# Altium PCB dcb_split_v2.PcbDoc (part 2 of 3)
Units mm, origin at the board's own origin, x right, y up, seen from the top; angles counter-clockwise.
Board outline 175 x 60 mm, 4 copper layers (Top Layer, Int1 (GND), Int2 (PWR), Bottom Layer), stack 1.369 mm thick; 175 components, 105 nets, 654 pads, 664 vias.
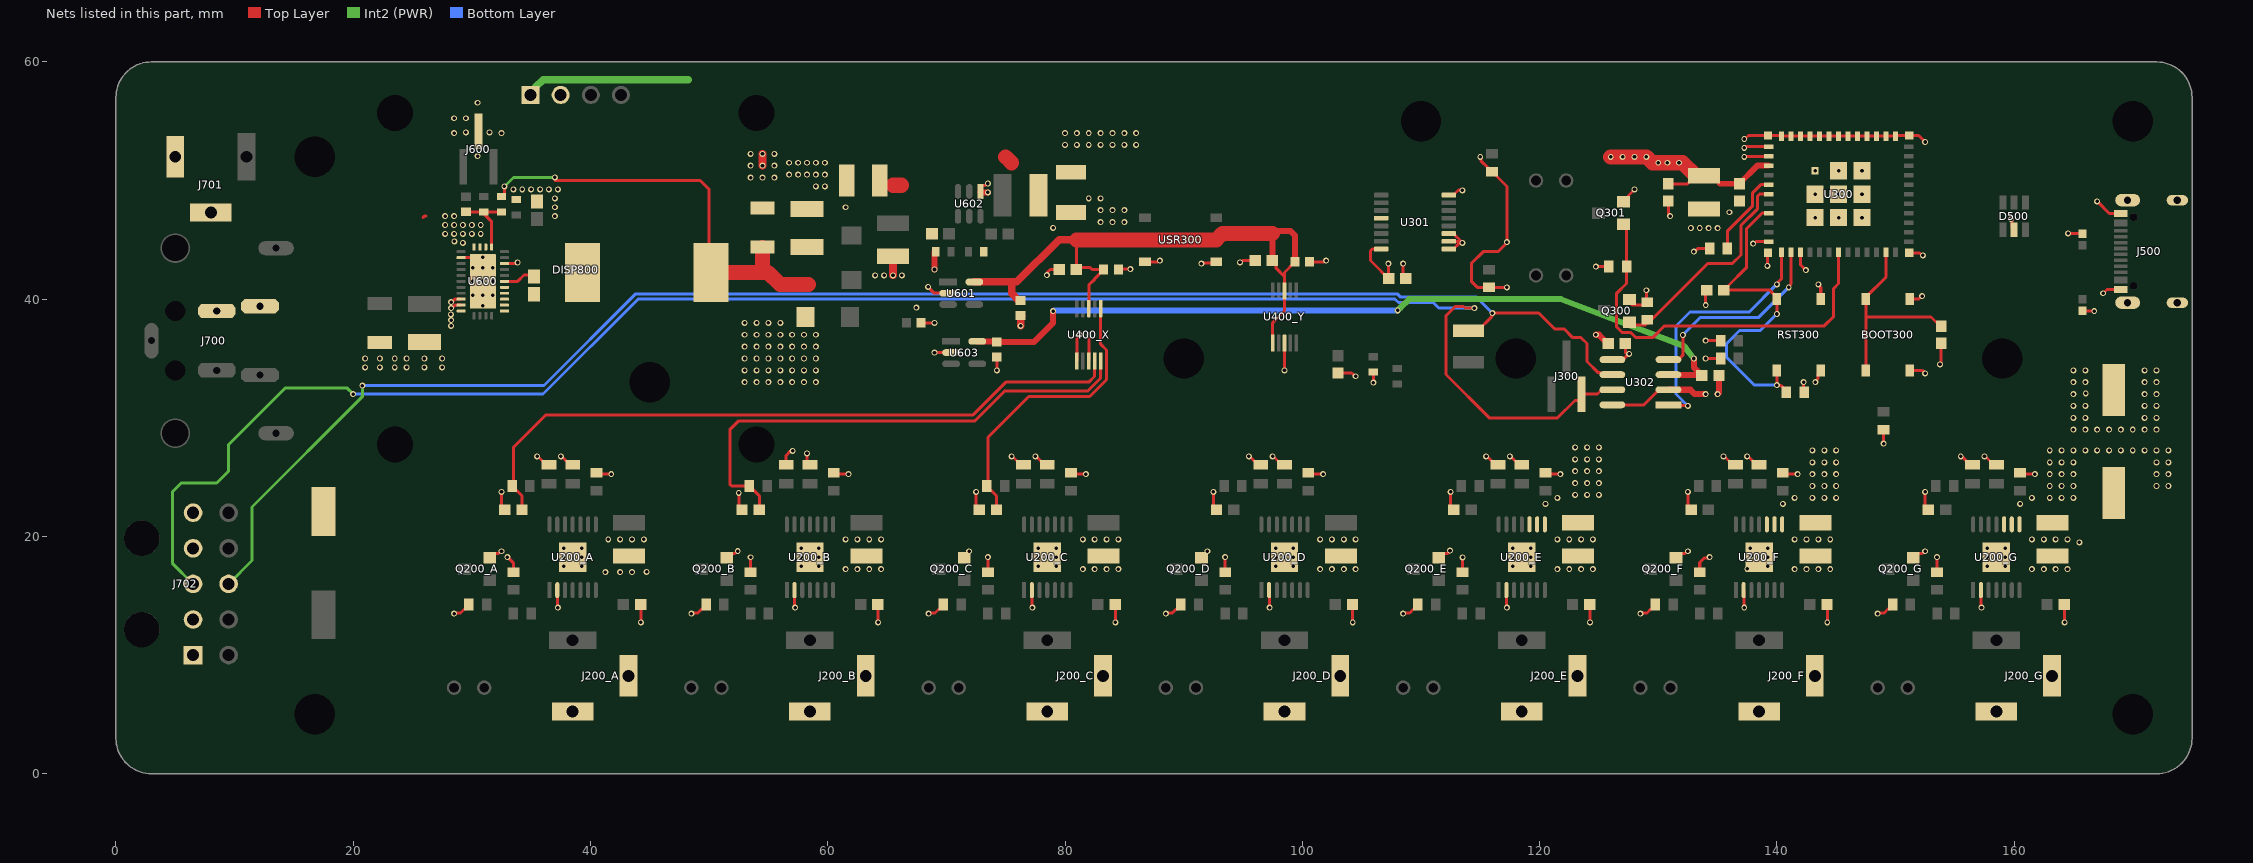
[diagram p4: the nets of this part, all layers, seen from the top]

## Part data
BOOT300 RST300 USR300: library part CMP-011-00015-1, "Switch Tactile N.O. SPST Round Button Gull Wing 0.05A 12VDC 200000Cycles 2.45N SMD T/R", Contact Current Rating=50mA, Contact Resistance=100mR, Max Operating Temperature=70°C, Min Operating Temperature=-20°C, Operating Force=260gf, Ratings=IP40, Voltage Rating (DC)=12V, Actuator Type=Standard, Height=1.65mm, Illumination Type=Non-Illuminated, Mechanical Life=200000Cycles, Mounting Technology="Surface Mount", Number of Positions=2, Series=PTS526, Switch Function=Off-Mom, Switch Travel=0.25mm, Termination="Gull Wing", Throw Configuration=SPST
C100 C302 C304: library part CMP-001-00085-7, "Cap Ceramic 1uF 10V X7R 10% SMD 0603 125C Paper T/R"
C200_A C200_B C200_C C200_D C200_E C200_F C200_G C301 C605 C606: library part CMP-001-00083-3, "CAP CER 4.7UF 50V X7R 1210", Capacitance=4.7uF, Case Code (Imperial)=1210, Case Code (Metric)=3225, Dielectric=X7R, Max Operating Temperature=125°C, Min Operating Temperature=-55°C, Package Quantity=1, Tolerance=10%, Voltage=50V, Case/Package=1210, Contact Plating=Tin, Depth=2.5mm, Height=1.8mm, Lead Free="Lead Free", Length=3.2mm, Material=Ceramic, Mount="Surface Mount", Packaging="Tape and Reel", Radiation Hardening=No, Thickness=0.079inch, Voltage Rating=50V, Width=0.098inch
C201_A C201_B C201_C C201_D C201_E C201_F C201_G C202_A C202_B C202_C C202_D C202_E C202_F C202_G C300 C303 C305 C306 C307 C401_X C401_Y C611: library part CMP-001-00084-7, "Cap Ceramic 0.1uF 50V X7R 20% SMD 0603 125C Paper T/R", Voltage=50V
C400_X C400_Y C603 C613 C614: library part CMP-001-00101-4, "Cap Ceramic 4.7uF 6.3V X7R 10% SMD 0603 125°C Paper T/R"
C600: library part CMP-001-00117-2, "Cap Ceramic 2.2uF 16V X6S 10% Pad SMD 0603 105°C Low ESR T/R", Case Code (Imperial)=0603, Case Code (Metric)=1608, Dielectric=X6S, Dielectric Material=Ceramic, Tolerance=10%, Voltage Rating=16V, Case/Package=0603, Construction=Flat, Depth=0.8mm, Height=0.8mm, Lead Free="Lead Free", Length=1.6mm, Series=C, Thickness=0.035inch
C601: library part CMP-001-00116-2, "Multilayer Ceramic Capacitor, 0.47 uF, 50 V, ± 10%, X7R, 0603 [1608 Metric]", Case Code (Imperial)=0603, Case Code (Metric)=1608, Dielectric=X7R, Dielectric Material=Ceramic, Tolerance=10%, Voltage=50V, Case/Package=0603, Construction=Flat, Depth=0.8mm, Height=0.8mm, Lead Free="Lead Free", Length=1.6mm, Material=Ceramic, Series=C, Voltage Rating=50V
C602 C609: library part CMP-001-00128-1, "Multilayer Ceramic Capacitor, 0.47 uF, 50 V, ± 10%, X7R, 1210 [3225 Metric]", Case Code (Imperial)=1210, Case Code (Metric)=3225, Dielectric=X7R, Dielectric Material=Ceramic, Max Operating Temperature=125°C, Min Operating Temperature=-55°C, Package Quantity=1, Tolerance=10%, Voltage=50V, Case/Package=1210, Construction=Flat, Depth=2.5mm, Height=0.95mm, Lead Free="Lead Free", Length=3.2mm, Mounting Technology="Surface Mount,PCB", Packaging="Tape and Reel", Reach SVHC Compliant=No, RoHS Compliant=Yes, Series=C, Termination=SMD/SMT, Thickness=0.041inch, Voltage Rating=50V, Voltage Rating (DC)=50V, Width=0.098inch
C604 C610: library part CMP-001-00119-1, "Multilayer Ceramic Capacitors MLCC - SMD/SMT 1210 10uF 63volts *Derate Voltage/Temp", Case Code (Imperial)=1210, Case Code (Metric)=3225, Dielectric=X7R, Dielectric Material=Ceramic, Tolerance=10%, Voltage=63V, Case/Package=1210, Depth=2.5mm, Height=2.5mm, Length=3.2mm, Material=Ceramic, Series=GRM, Termination=SMD/SMT, Thickness=0.106inch, Voltage Rating=63V, Voltage Rating (DC)=63V, Width=2.5mm
C607: library part CMP-001-00125-1, "1210 22 uF 25 V ±20% Tolerance X7R Multilayer Ceramic Chip Capacitor", Case Code (Imperial)=1210, Case Code (Metric)=3225, Max Operating Temperature=125°C, Min Operating Temperature=-55°C, Tolerance=20%, Voltage Rating=25V, Case/Package=1210, Mounting Technology="Surface Mount", Packaging="Tape and Reel", RoHS Compliant=Yes, Series=M
C608: library part CMP-001-00127-1, "Cap Aluminum Polymer 120uF 35VDC 20%( 10 X 12.6mm) SMD 0.018 Ohm 4400mA 5000h 105C T/R", Case/Package=Radial, ESR (Equivalent Series Resistance)=18mR, Leakage Current=840uA, Max Operating Temperature=105°C, Min Operating Temperature=-55°C, Package Quantity=400, Ripple Current=4.4A, Tolerance=20%, Voltage=35V, Diameter=10mm, Dissipation Factor=12%, Height=12.6mm, Lead Free="Lead Free", Length=12.6mm, Life (Hours)=5000Hour, Material=Polymer, Mounting Technology="Surface Mount,PCB", Packaging="Tape and Reel", Pins=12, Reach SVHC Compliant=No, Ripple Current (AC)=4.4A, RoHS Compliant=Yes, Series="OS-CON™, SVPF", Termination=SMD/SMT, Voltage Rating=35V, Voltage Rating (DC)=35V
C612: library part CMP-001-00126-1, "Multilayer Ceramic Capacitor, 56 pF, 50 V, ± 5%, C0G (NP0), 0603 [1608 Metric]", Case Code (Imperial)=0603, Case Code (Metric)=1608, Dielectric=C0G, Max Operating Temperature=125°C, Min Operating Temperature=-55°C, Package Quantity=1, Temperature Coefficient=30ppm/°C, Tolerance=5%, Voltage Rating=50V, Case/Package=0603, Construction=Flat, Depth=0.8mm, Height=0.8mm, Lead Free="Lead Free", Lead Pitch=0.7mm, Length=1.6mm, Material=Ceramic, Mounting Technology="Surface Mount,PCB", Packaging="Tape and Reel", Pins=2, Radiation Hardening=No, Reach SVHC Compliant=No, RoHS Compliant=Yes, Series=C, Termination=SMD/SMT, Thickness=0.034inch, Voltage Rating (DC)=50V, Width=0.031inch
C700: library part CMP-001-00124-1, "Cap Aluminum 56uF 63V 20% (10 X 10.2mm) SMD 0.03 Ohm 1800mA 5000h 105 C Embossed T/R", Case/Package=Radial, ESR (Equivalent Series Resistance)=30mR, Leakage Current=3uA, Max Operating Temperature=105°C, Min Operating Temperature=-55°C, Package Quantity=500, Ratings=AEC-Q200, Ripple Current=1.8A, Tolerance=20%, Voltage=63V, Construction=Cylindrical, Diameter=10mm, Height=10.2mm, Lead Diameter=0.9mm, Lead Free="Lead Free", Lead Pitch=4.6mm, Length=10.2mm, Life (Hours)=5000Hour, Material=Polymer, Mounting Technology="Surface Mount,PCB", Packaging="Tape and Reel", Radiation Hardening=No, Reach SVHC Compliant=No, Ripple Current (AC)=1.8A, RoHS Compliant=Yes, Series=ZA, Technology=HYBRID, Termination=SMD/SMT, Voltage Rating=63V, Voltage Rating (DC)=63V
D500: library part CMP-004-00040-1, "ESD Suppressor 15KV 6-Pin SOT-23 T/R - Product that comes on tape, but is not reeled", Breakdown Voltage=6V, Case/Package=SOT-23, Clamping Voltage=17V, Leakage Current=150nA, Max Breakdown Voltage=10V, Max Operating Temperature=125°C, Max Reverse Leakage Current=2uA, Min Operating Temperature=-40°C, Operating Supply Voltage=860mV, Peak Pulse Current=5A, Power Line Protection=Yes, Reverse Standoff Voltage=5V, Test Current=1mA, Clamping Voltage-Max=17V, Depth=1.75mm, Direction=Unidirectional, ESD Protection=Yes, Height=1.3mm, Lead Free="Lead Free", Length=3.05mm, Min Breakdown Voltage=6V, Mounting Technology="Surface Mount", Number of Channels=4, Number of Elements=1, Number of Unidirectional Channels=4, Packaging="Tape and Reel", Pins=6, Polarity=Unidirectional,Bidirectional, Radiation Hardening=No, Reach SVHC Compliant=No, Reverse Breakdown Voltage=6V, RoHS Compliant=Yes, Series=USB, Termination=SMD/SMT, Voltage Rating (DC)=5V, Width=1.75mm, Working Voltage=5V
D600 D601: library part CMP-080-0002-2, Design Item ID=DIODE_SCHOTTKY, Source=diode.SCHLIB
DISP800: library part CMP-00028-00008-2, "Use 4 pin header 0901471104 on board"
J200_A J200_B J200_C J200_D J200_E J200_F J200_G J701: library part CMP-167-0003-2, "2.0 x 6.5 mm, 2.5 A, Horizontal, Through Hole, Dc Power Jack Connector", Design Item ID=PJ-0XX, Source=con-jack.SCHLIB
J300 J600: library part CMP-002-00105-2, "3 Pos. Male SIL Vertical SMT Conn. RoHS Compliant: Yes", Current Rating=1A, Flammability Rating="UL94 V-0", Insulation Color=Black, Max Operating Temperature=105°C, Min Operating Temperature=-40°C, Connector Type=Header, Contact Finish - Mating=GOLD, Contact Material=Brass, Contact Shape=Square, Contact Type="Male Pin", Fastening Type=Pull, Insulation Material=Nylon, Mounting Technology="Surface Mount", Number of Positions=3, Number of Rows=1, Packaging="Cut Tape", RoHS Compliant=Yes, Series="Archer M50", Termination=Solder
J500: library part CMP-243-000000-3, "16 Position 5 A USB Right Angle Receptacle Connector", Package=None, Availability=Unavailable, Component Type=Standard, Design Item ID=10155435-00011LF, MF="Amphenol ICC (FCI)", MP=10155435-00011LF, Pin Count=16, Price=None, Source=10155435-00011LF.SchLib
J700: library part CMP-167-0005-1, Design Item ID=DIN4PWR, Source=con-jack.SCHLIB
J702: library part CMP-002-00106-1, "Connector Wire to Board Header 10 Position 3 mm Solder Right Angle Thru-Hole Micro-Fit 3.0™", Case/Package=SMC, Color=Black, Current Rating=5A, Flammability Rating="UL94 V-0", Insulation Resistance=1GR, Manufacturer Series=43045, Package Quantity=1224, Voltage Rating=600V, Voltage Rating (DC)=250V, Connector Type=Plug, Contact Material=Brass, Contact Plating=Gold, DIN Conformance=No, Gender=Male, Glow Wire Compliant=Compliant, Halogen Free="Low Halogen", Housing Material=Thermoplastic, IEC Conformance=No, MIL Conformance=No, Number of Circuits=10, Number of Contacts=10, Number of Positions=10, Number of Rows=2, Option="General Purpose", Orientation="Right Angle", Packaging=Tray, Pitch=3mm, Plating=Tin, Radiation Hardening=No, Reach SVHC Compliant=No, RoHS Compliant=Yes, Row Spacing=3mm, Series="Micro-Fit 3.0", Termination="Through Hole"
L600: library part CMP-006-00033-1, "Inductor Power Shielded Wirewound 10uH 20% 100KHz Powdered Iron 10A 17.2mOhm DCR 5050 T/R", Case/Package=5050, DC Resistance (DCR)=17.2mR, Inductance Tolerance=20%, Max Current Rating=10A, Max DC Current=15.5A, Max Operating Temperature=125°C, Min Operating Temperature=-55°C, Package Quantity=250, Self Resonant Frequency=5MHz, Test Frequency=100kHz, Core Material=Metal,Composite,Ferrite, Depth=12.9mm, ESR=17.2mR, Height=6.5mm, Lead Free="Lead Free", Length=13.2mm, Military Standard=Not, Mounting Technology="Surface Mount", Packaging="Tape and Reel", Pins=2, Radiation Hardening=No, Reach SVHC Compliant=Unknown, RMS Current (Irms)=10A, RoHS Compliant=Yes, Saturation Current=15.5A, Series=IHLP-5050FD-01, Shielding=Shielded, Termination=SMD/SMT, Tolerance=20%, Width=12.9mm
L601: library part CMP-006-00036-2, "Ind Power Semi-Shielded Wirewound 4.7uH 20% 100KHz Ferrite 1.9A 1515 T/R", Case/Package=Nonstandard, Current Rating=1.9A, DC Resistance (DCR)=84mR, Inductance Tolerance=20%, Max Operating Temperature=120°C, Min Operating Temperature=-25°C, Package Quantity=3000, Saturation Current=2A, Self Resonant Frequency=35MHz, Test Frequency=100kHz, Core Material=Ferrite, Depth=4.2mm, ESR=84mR, Height=1.8mm, Height - Seated (Max)=0.071inch, Length=4mm, Material=Steel, Max DC Current=1.9A, Mounting Technology="Surface Mount", Packaging="Cut Tape", Pins=2, Q Factor=9, Radiation Hardening=No, Reach SVHC Compliant=No, RMS Current (Irms)=1.9A, RoHS Compliant=Yes, Sample Rate (Hz)=100kHz, Series=SRN4018, Shielding=Shielded, Termination=SMD/SMT, Tolerance=20%, Width=4mm
LED200_A LED200_B LED200_C LED200_D LED200_E LED200_F LED200_G LED300 LED301: library part CMP-130-0003-6, Design Item ID=LED_INDICATOR, Source=led.SchLib
Q200_A Q200_B Q200_C Q200_D Q200_E Q200_F Q200_G Q300 Q301: library part CMP-094-0000-1, Design Item ID=NFET, Source=fet.SchLib
R100 R600: library part CMP-009-00222-1, "SMD Chip Resistor, 100 kOhm, ± 1%, 100 mW, 0603 [1608 Metric], Thick Film, General Purpose", Case Code (Imperial)=0603, Case Code (Metric)=1608, Resistance Tolerance=1%, Voltage Rating=50V, Case/Package=0603, Height=0.45mm, Tolerance=1%, Width=0.8mm
R101: library part CMP-009-00236-1, "SMD Chip Resistor, 12 kOhm, ± 1%, 100 mW, 0603 [1608 Metric], Thick Film, General Purpose", Case Code (Imperial)=0603, Case Code (Metric)=1608, Max Operating Temperature=155°C, Max Power Dissipation=100mW, Min Operating Temperature=-55°C, Resistance Tolerance=1%, Resistor Type="Thick Film", Temperature Coefficient=100ppm/°C, Voltage Rating=50V, Case/Package=0603, Construction=Rectangular, Depth=0.8mm, Features="Moisture Resistant", Lead Free="Lead Free", Length=1.6mm, Military Standard=Not, Number of Terminations=2, Packaging="Tape and Reel", Pins=2, Power Rating=100mW, Reach SVHC Compliant=No, RoHS Compliant=Yes, Series=RC, Termination=SMD/SMT, Tolerance=1%, Voltage Rating (DC)=50V, Width=0.8mm
R200_A R200_B R200_C R200_D R200_E R200_F R200_G R300 R301 R302 R303 R306 R307 R310: library part CMP-009-00191-4, "Res General Purpose Thick Film 0603 10K Ohm 1% 1/10W ±100ppm/°C Molded SMD Paper T/R"
R201_A R201_B R201_C R201_D R201_E R201_F R201_G R202_A R202_B R202_C R202_D R202_E R202_F R202_G R205_A R205_B R205_C R205_D R205_E R205_F R205_G: library part CMP-009-00205-1, "RES SMD 4.7K OHM 1% 1/10W 0603"
R203_A R203_B R203_C R203_D R203_E R203_F R203_G R204_A R204_B R204_C R204_D R204_E R204_F R204_G: library part CMP-009-00233-1, "SMD Chip Resistor, 470 Ohm, ± 1%, 125 mW, 0805 [2012 Metric], Thick Film, General Purpose", Case Code (Imperial)=0805, Case Code (Metric)=2012, Max Operating Temperature=155°C, Max Power Dissipation=125mW, Min Operating Temperature=-55°C, Package Quantity=5000, Resistance Tolerance=1%, Resistor Type="Thick Film", Temperature Coefficient=100ppm/°C, Voltage Rating=150V, Case/Package=0805, Construction=Rectangular, Depth=1.25mm, Features="Moisture Resistant", Height=0.5mm, Lead Free="Lead Free", Lead Pitch=0.4mm, Length=2mm, Number of Terminations=2, Packaging="Tape and Reel", Pins=2, Power Rating=125mW, Reach SVHC Compliant=Unknown, RoHS Compliant=Yes, Series=RC, Termination=SMD/SMT, Tolerance=1%, Voltage Rating (AC)=150V, Voltage Rating (DC)=150V, Width=1.25mm
R206_A R206_B R206_C R206_D R206_E R206_F R206_G R304 R305: library part CMP-009-00183-3, "YAGEO - RC0603JR-07220RL - SMD Chip Resistor, 0603 [1608 Metric], 220 ohm, RC Series, 75 V, Thick Film, 100 mW", Case Code (Imperial)=0603, Case Code (Metric)=1608, Max Operating Temperature=155°C, Min Operating Temperature=-55°C, Power Rating=100mW, Resistance=220R, Resistor Type="Thick Film", Temperature Coefficient=100ppm/°C, Tolerance=5%, Voltage Rating=50V, Working Voltage=75V, Case/Package=0603, Depth=0.8mm, Lead Free="Lead Free", Length=1.6mm, Military Standard=Not, Number of Pins=2, Number of Terminations=2, Packaging="Tape and Reel", REACH SVHC="No SVHC", Termination=SMD/SMT, Voltage Rating (DC)=50V, Width=0.8mm
R308: library part CMP-009-00240-1, "SMD Chip Resistor, 120 Ohm, ± 5%, 500 mW, 1210 [3225 Metric], Thick Film, General Purpose", Case Code (Imperial)=1210, Case Code (Metric)=3225, Max Operating Temperature=155°C, Max Power Dissipation=500mW, Min Operating Temperature=-55°C, Package Quantity=1, Resistance Tolerance=5%, Resistor Type="Thick Film", Temperature Coefficient=200ppm/°C, Voltage Rating=200V, Case/Package=1210, Construction=Rectangular, Contact Plating=Tin, Depth=2.5mm, Features="Automotive AEC-Q200", Height=0.6mm, Length=3.2mm, Military Standard=Not, Mounting Technology="Surface Mount", Number of Terminations=2, Packaging="Tape and Reel", Power Rating=500mW, Radiation Hardening=No, Reach SVHC Compliant=No, RoHS Compliant=Yes, Series=ERJ, Technology="THICK FILM", Termination=SMD/SMT, Tolerance=5%, Voltage Rating (DC)=200V, Width=2.5mm
R500 R501: library part CMP-009-00234-1, "SMD Chip Resistor, 5.1 kOhm, ± 1%, 63 mW, 0402 [1005 Metric], Thick Film, General Purpose", Case Code (Imperial)=0402, Case Code (Metric)=1005, Max Operating Temperature=155°C, Max Power Dissipation=63mW, Min Operating Temperature=-55°C, Temperature Coefficient=100ppm/°C, Tolerance=1%, Voltage Rating=50V, Case/Package=0402, Features="Moisture Resistant,Automotive AEC-Q200", Height=0.015inch, Lead Free="Lead Free", Length=0.039inch, Mounting Technology="Surface Mount", Number of Terminations=2, Packaging="Cut Tape", Power Rating=63mW, RoHS Compliant=Yes, Series=AC, Width=0.02inch
R602: library part CMP-009-00223-1, "Res Thick Film 0603 97.6K Ohm 1% 1/10W ±100ppm/°C Molded SMD Paper T/R", Case Code (Imperial)=0603, Case Code (Metric)=1608, Power Rating=100mW, Tolerance=1%, Voltage Rating=75V, Case/Package=0603, Contact Plating=Tin,Matte, Height=0.022inch, Series=RC, Weight=7.1E-05oz, Width=0.031inch
R603: library part CMP-009-00221-1, "SMD Chip Resistor, 9.09 kOhm, ± 1%, 100 mW, 0603 [1608 Metric], Thick Film, General Purpose", Case Code (Imperial)=0603, Case Code (Metric)=1608, Case/Package=0603, Features="Moisture Resistant"
R604: library part CMP-009-00203-1, "Res Thick Film 1.6 x 0.8 mm 100K Ohm 1% 0.1W(1/10W) 100ppm/ C Molded SMD Paper T/R"
R605: library part CMP-009-00207-3, "RES SMD 22.1KOHM 0.1% 1/10W 0603"
R606: library part CMP-009-00239-1, "SMD Chip Resistor, 4.32 kOhm, ± 1%, 100 mW, 0603 [1608 Metric], Thick Film, Precision", Case Code (Imperial)=0603, Case Code (Metric)=1608, Max Operating Temperature=155°C, Max Power Dissipation=100mW, Min Operating Temperature=-55°C, Package Quantity=1, Resistance Tolerance=1%, Resistor Type="Thick Film", Temperature Coefficient=100ppm/°C, Voltage Rating=75V, Voltage Rating (DC)=50V, Case/Package=0603, Construction=Rectangular, Contact Plating=Tin, Depth=0.8mm, Features="Automotive AEC-Q200", Height=0.45mm, Lead Free="Lead Free", Length=1.6mm, Military Standard=Not, Mounting Technology="Surface Mount", Number of Terminations=2, Packaging="Tape and Reel", Power Rating=100mW, Radiation Hardening=No, Reach SVHC Compliant=No, RoHS Compliant=Yes, Series=ERJ, Technology="THICK FILM", Termination=SMD/SMT, Tolerance=1%, Width=0.8mm
U200_A U200_B U200_C U200_D U200_E U200_F U200_G: library part CMP-024-00009-1, "Current Limit SW 1-IN 1-OUT 5V to 40V 4A Automotive 14-Pin HTSSOP EP T/R", Case/Package=HTSSOP, Max Operating Temperature=125°C, Max Output current=4A, Max Supply Voltage=40V, Min Operating Temperature=-40°C, Min Supply Voltage=3.5V, Fault Protection="Over Temperature", Height=1.2mm, Interface=On/Off, Lead Free="Lead Free", Length=5mm, Number of Channels=1, Number of Outputs=1, Output Configuration="High Side", Packaging="Cut Tape", Pins=14, RoHS Compliant=Yes, Series="Automotive, AEC-Q100", Thickness=1mm, Width=4.4mm
U300: library part CMP-206-000000-1, "Bluetooth, WiFi 802.11b/g/n, Bluetooth v5.0 Transceiver Module 2.412GHz ~ 2.484GHz PCB Trace Surface Mount", Package="SMD-53 Espressif Systems", Availability="In Stock", Check_prices=https://www.snapeda.com/parts/ESP32-C3-MINI-1-N4/Espressif+Systems/view-part/?ref=eda, Component Type=Standard, Design Item ID=ESP32-C3-MINI-1-N4, MF="Espressif Systems", MP=ESP32-C3-MINI-1-N4, Pin Count=61, Price=None, Purchase-URL=https://pricing.snapeda.com/search/part/ESP32-C3-MINI-1-N4/?ref=eda, SnapEDA_Link=https://www.snapeda.com/parts/ESP32-C3-MINI-1-N4/Espressif+Systems/view-part/?ref=snap, Source=ESP32-C3-MINI-1-N4.SchLib
U301: library part CMP-015-00016-1, "I2C/SMBus Interface 100kHz/400kHz 5.5V 16-Pin TSSOP Tube / IC I/O EXPANDER I2C 8B 16TSSOP", Case/Package=TSSOP, Clock Frequency=400kHz, Max Operating Temperature=85°C, Min Operating Temperature=-40°C, Operating Supply Current=104uA, Operating Supply Voltage=5.5V, Frequency=400kHz, Height=1.2mm, Lead Free="Lead Free", Length=5mm, Number of I/Os=8, Number of Outputs=8, Output Type=PUSH-PULL, Packaging=Rail/Tube, Pins=16, Radiation Hardening=No, RoHS Compliant=Yes, Series=-, Thickness=1mm, Weight=0.002183oz, Width=4.4mm
U302: library part CMP-015-00017-1, "R-PDSO-G8 TCAN1044 Tape & Reel (TR) CAN interface transceiver 100mV 4.905mm 5Mbps -40C~125C TA", Case/Package=SOIC, Max Operating Temperature=125°C, Max Supply Voltage=5.5V, Min Operating Temperature=-40°C, Min Supply Voltage=4.5V, Data Rate=5Mbps, Height=1.75mm, Interface=CAN, Length=4.9mm, Mounting Technology="Surface Mount", Pins=8, Receiver Hysteresis=100mV, RoHS Compliant=Yes, Series="Automotive, AEC-Q100", Thickness=1.58mm, Width=3.91mm
U400_X U400_Y: library part CMP-015-00014-1, "4-Channel Single ADC Delta-Sigma 860sps 16-bit Serial 10-Pin VSSOP T/R", Case/Package=VSSOP, Max Operating Temperature=125°C, Max Supply Voltage=5.5V, Min Operating Temperature=-40°C, Min Supply Voltage=2V, Nominal Supply Current=150uA, Package Quantity=2500, Power Dissipation=900uW, Contact Plating=Gold, Conversion Rate=0.86KS/s, Height=1.07mm, Integral Nonlinearity (INL)=1LSB, Interface=I2C, Lead Free="Lead Free", Length=3mm, Max Supply Voltage (DC)=5.5V, Min Supply Voltage (DC)=2V, Number of A/D Converters=1, Number of Bits=16, Number of Channels=2, Number of Converters=1, Number of Inputs=4, Packaging="Tape and Reel", Pins=10, Polarity=Bipolar, Reach SVHC Compliant=No, Resolution=16b, RoHS Compliant=Yes, Sampling Rate=860S/s, Series=-, Supply Type=Single, Thickness=1.02mm, Width=3mm
U600: library part CMP-019-00072-2, "3.5-V to 60-V, 5-A synchronous step-down voltage converter 30-WQFN -40 to 125", Max Operating Temperature=125°C, Max Output Voltage=57V, Max Supply Voltage=60V, Min Input Voltage=3.5V
U601 U603: library part CMP-019-00083-1, "IC REG LINEAR 5V 150MA SOT23-5 / 150-mA, 30-V, UltraLow IQ, Low-Dropout Regulators with Enable", Case/Package=SOT-23-5, Dropout Voltage=690mV, Max Operating Temperature=125°C, Max Output current=150mA, Max Supply Voltage=30V, Min Current Limit=200mA, Min Input Voltage=2.7V, Min Operating Temperature=-40°C, Nominal Output Voltage=5V, Package Quantity=250, Power Supply Rejection Ratio (PSRR)=80dB, Quiescent Current=1uA, Accuracy=2%, Height=1.3mm, Lead Free="Lead Free", Length=3.05mm, Mounting Technology="Surface Mount", Number of Outputs=1, Number of Regulators=1, Output Current=150mA, Output Type=Fixed, Output Voltage=5V, Packaging="Tape and Reel", Pins=5, Polarity=Positive, Radiation Hardening=No, Reach SVHC Compliant=No, RoHS Compliant=Yes, Series=-, Width=1.75mm
U602: library part CMP-019-00081-1, "4.5V to 28V Input, 2A Output, EMI Friendly Synchronous Step-Down Converter 6-SOT-23-THIN -40 to 125", Case/Package=SOT-23-6, Max Operating Temperature=125°C, Max Output Voltage=28V, Min Input Voltage=4.5V, Min Operating Temperature=-40°C, Min Output Voltage=596mV, Nominal Supply Current=45uA, Output Current=2A, Quiescent Current=40uA, Switching Frequency=500kHz, Height=1.1mm, Lead Free="Lead Free", Length=2.9mm, Max Duty Cycle=100%, Max Supply Voltage=28V, Min Supply Voltage=4.5V, Mounting Technology="Surface Mount", Number of Channels=1, Number of Outputs=1, Output Configuration=Positive, Output Type=Adjustable, Packaging="Tape and Reel", Pins=6, RoHS Compliant=Yes, Series=Eco-Mode™, Synchronous Rectifier=Yes, Thickness=870um, Width=1.6mm

## Free pads (board coordinates)
  round 0 hole 3.4 unplated: 2(110,55) 2(170,5) 2(170,55) 3(159,35) 4(118,35) 5(90,35) 6(45,33) 7(16.75,52) 8(16.75,5)

## Via types
v1: diameter 0.5, hole 0.3, Top Layer to Bottom Layer, 664 vias

## Nets (pads, with @x,y where several pads share a name; then routed paths per layer and width w, separated by ;. In a path a pad name is that pad's centre, name@x,y a point inside that pad or via, vN(x,y) a via of type N, cw(c..) or ccw(c..) an arc to the next point about the centre after c; other vN are vias at no path point)
3V3: C300.1 C301.2 C302.1 C305.1 C306.1 C605.2 C607.1 C612.1 DISP800.1 L601.2 R202_A.1 R202_B.1 R202_C.1 R202_D.1 R202_E.1 R202_F.1 R202_G.1 R206_A.2 R206_B.2 R206_C.2 R206_D.2 R206_E.2 R206_F.2 R206_G.2 R300.2 R301.2 R302.2 R303.2 R304.2 R305.2 R310.2 R604.2 U300.3 U301.16 U302.5 | length 83.4
  Top Layer w0.254: v1(28.5,13.5) 28.547,13.547 29.047,13.547 29.377,13.877 29.477,13.877 29.75,14.15 R206_A.2@29.75,14.25 ; R202_A.1@40.5,25.25 v1(41.75,25.25) ; v1(48.5,13.5) 48.547,13.547 49.047,13.547 49.377,13.877 49.477,13.877 49.75,14.15 R206_B.2@49.75,14.25 ; R202_B.1@60.5,25.25 v1(61.75,25.25) ; v1(68.5,13.5) 68.547,13.547 69.047,13.547 69.377,13.877 69.477,13.877 69.75,14.15 R206_C.2@69.75,14.25 ; R202_C.1@80.5,25.25 v1(81.75,25.25) ; v1(88.5,13.5) 88.547,13.547 89.047,13.547 89.377,13.877 89.477,13.877 89.75,14.15 R206_D.2@89.75,14.25 ; R202_D.1@100.5,25.25 v1(101.75,25.25) ; U301.16@106.65,44.225 105.899,44.225 105.75,44.076 105.75,43.25 106,43 107.25,41.75 C302.1@107.273,41.75 107.25,41.773 v1(107.25,43) ; v1(108.5,13.5) 108.547,13.547 109.047,13.547 109.377,13.877 109.477,13.877 109.75,14.15 R206_E.2@109.75,14.25 ; v1(115,52) 115.047,51.953 115.047,51.669 115.627,51.089 115.627,51.023 115.9,50.75 116.1,50.75 116.373,50.477 116.373,50.377 117.25,49.5 v1(117.25,44.806) 117.25,44.75 116.5,44 115.25,44 114.25,43 114.25,41.5 114.75,41 v1(117.25,41) ; R202_E.1@120.5,25.25 v1(121.75,25.25) ; U302.5@126.136,34.905 127.019,34.905 127.395,35.281 127.437,35.281 v1(127.543,35.387) ; C306.1@127.227,36.25 127.227,35.523 v1@127.378,35.372 ; v1(128.5,13.5) 128.547,13.547 129.047,13.547 129.377,13.877 129.477,13.877 129.75,14.15 R206_F.2@129.75,14.25 ; C300.1@130.85,49.727 132.477,49.727 133.15,50.4 C301.2@133.85,50.4 134.55,50.4 135.223,49.727 ; v1(133,44) 133.067,44 133.325,44.258 R303.2@134.329,44.258 ; v1(134,35) R301.2@135.25,35 ; v1(134,36.5) R302.2@135.25,36.5 ; C305.1@136.85,49.727 C305.1@136.85,49.75 ; R202_F.1@140.5,25.25 v1(141.75,25.25) ; v1(142.25,33) 142.25,32.213 R310.2@142.31,32.153 ; v1(148.5,13.5) 148.547,13.547 149.047,13.547 149.377,13.877 149.477,13.877 149.75,14.15 R206_G.2@149.75,14.25 ; v1(148.992,27.829) 148.992,28.992 R300.2@149,29 ; R202_G.1@160.5,25.25 v1(161.75,25.25)
  Top Layer w0.5: 135.223,49.727 C305.1@136.85,49.727 ; C305.1@136.85,49.75 138.35,51.25 U300.3@139.3,51.25
  Top Layer w1.27: 65.5,49.6 66.2,49.6 ; 75,52 75.5,51.5 ; v1(126,52) v1(127,52) v1(128,52) v1(129,52) 129.5,51.5 v1(130.775,51.5) 132.05,51.5 C301.2@133.135,50.415
  Int2 (PWR) w0.635: DISP800.1@34.825,57.325 35.061,57.325 35.395,57.659 35.395,57.894 36,58.5 48.25,58.5
  other v1: 130,51.5 131.75,51.5 80,53 81,53 82,53 83,53 84,53 85,53 86,53 80,54 81,54 82,54 83,54 84,54 85,54 86,54
5V: C400_X.1 C400_Y.1 C401_X.1 C401_Y.1 C603.1 U400_X.8 U400_Y.1 U400_Y.8 U601.5 | length 54
  Top Layer w0.254: 80.954,45 C401_X.1@80.954,42.5 81.108,42.654 82.122,42.654 82.276,42.5 C400_X.1@83.246,42.5 83.246,42.473 82.497,41.724 82.497,41.69 82,41.193 U400_X.8@82,39.151 ; C401_Y.1@97.477,43.25 97.797,42.93 97.797,42.604 98.5,41.901 ; U400_Y.1@97.5,36.349 97.5,38.011 98.5,39.011 98.5,40.651 98.5,41.901 ; C400_Y.1@99.373,43.151 99.373,43.124 98.5,42.251 98.5,41.901
  Top Layer w0.508: C401_Y.1@97.477,43.25 97.477,45.523 97.25,45.75 99,45.75 99.373,45.377 C400_Y.1@99.373,43.151
  Top Layer w0.635: U601.5@72.35,41.45 75.5,41.45 ; C603.1@76.25,39.877 76.106,39.877 75.5,40.483 75.5,41.45 ; 80.954,45 79.5,45 75.95,41.45 75.5,41.45
  Top Layer w1.27: 80.954,45 92.75,45 93.273,45.523 97.477,45.523
5VCAN: C307.1 C613.1 U302.3 U603.5 | length 68.2
  Top Layer w0.508: U603.5@72.6,36.45 72.613,36.438 74.189,36.438 C613.1@74.25,36.377 77.377,36.377 79,38 v1(79,39) ; U302.3@130.864,33.635 130.878,33.621 C307.1@133.6,33.621 ; v1(133,35) 133,34.244 133.448,33.796 133.448,33.773 C307.1@133.6,33.621 ; C307.1@133.673,33.571 133.65,33.571 C307.1@133.6,33.621
  Int2 (PWR) w0.508: v1(108.043,39.06) 108.245,39.262 108.262,39.262 109,40 121.711,40 121.805,40 132.144,36.058 132.22,35.982 132.312,35.891 v1(133,35)
  Bottom Layer w0.508: v1(79,39) 79.06,39.06 v1(108.043,39.06)
12V: C200_E.2 C200_F.2 C200_G.2 C608.2 C609.2 C610.1 D601.A L600.2 R600.2 U200_E.8 U200_E.9 U200_E.10 U200_F.8 U200_F.9 U200_F.10 U200_G.8 U200_G.9 U200_G.10 | length 37.4
  Top Layer w0.254: R600.2@32.5,48.65 32.577,48.65 32.75,48.823 v1(32.75,49.5) ; v1(37,50.259) 37,50 49.25,50 50,49.25 50,42.407 L600.2@50.157,42.25
  Top Layer w0.508: C609.2@57.317,44.35 57.519,44.552 C609.2@57.519,44.609
  Top Layer w1.27: L600.2@50.157,42.25 54.25,42.25 ; C610.1@54.5,44.35 54.5,42.5 54.25,42.25 ; 58.37,41.25 55.97,41.25 54.97,42.25 54.25,42.25
  Int2 (PWR) w0.254: v1(32.75,49.5) 33.509,50.259 v1(37,50.259)
  other v1: 120.5,22.75 140.5,22.75 160.5,22.75 121.5,23.25 141.5,23.25 143,23.25 144,23.25 145,23.25 161.5,23.25 163,23.25 164,23.25 165,23.25 123,23.5 124,23.5 125,23.5 143,24.25 144,24.25 145,24.25 163,24.25 164,24.25 165,24.25 172,24.25 173,24.25 123,24.5 124,24.5 125,24.5 143,25.25 144,25.25 145,25.25 163,25.25 164,25.25 165,25.25 172,25.25 173,25.25 123,25.5 124,25.5 125,25.5 143,26.25 144,26.25 145,26.25 163,26.25 164,26.25 165,26.25 172,26.25 173,26.25 123,26.5 124,26.5 125,26.5 143,27.25 144,27.25 145,27.25 163,27.25 164,27.25 165,27.25 166,27.25 167,27.25 168,27.25 169,27.25 170,27.25 171,27.25 172,27.25 173,27.25 123,27.5 124,27.5 125,27.5 53,33 54,33 55,33 56,33 57,33 58,33 59,33 53,34 54,34 55,34 56,34 57,34 58,34 59,34 53,35 54,35 55,35 56,35 57,35 58,35 59,35 53,36 54,36 55,36 56,36 57,36 58,36 59,36 53,37 54,37 55,37 56,37 57,37 58,37 59,37 53,38 54,38 55,38 56,38
BOOT: C601.2 U600.6 | length 2.8
  Top Layer w0.254: U600.6@32.75,41.5 33.858,41.5 34.39,42.031 35.141,42.031 C601.2@35.25,42.141
BUZZ: U301.12
CAN_D: U300.12 U302.1 | length 21.7
  Top Layer w0.254: U302.1@130.864,31.095 130.912,31.047 132.453,31.047 v1(132.5,31) ; v1(140,41.25) 140,41.317 140.4,41.717 U300.12@140.4,43.95
  Bottom Layer w0.254: v1(132.5,31) 131.496,32.004 131.496,37.746 132.677,38.927 137.677,38.927 v1(140,41.25)
CAN_R: U300.13 U302.4 | length 16.7
  Top Layer w0.254: U302.4@130.864,34.905 131.707,34.905 132.073,35.271 v1(132.073,36.98) ; v1(141,41) 141,41.067 141.2,41.267 U300.13@141.2,43.95
  Bottom Layer w0.254: v1(132.073,36.98) 133.566,38.473 138.473,38.473 v1(141,41)
CANH: J300.3 J702.3 U302.7 | length 151.4
  Top Layer w0.254: v1(114.5,39.25) 113.711,39.25 113.592,39.369 112.869,39.369 112.105,38.605 112.105,33.645 115.75,30 121.519,30 122.983,31.463 123.342,31.463 123.54,31.661 J300.3@123.54,32 124.889,32 125.254,32.365 U302.7@126.136,32.365
  Int2 (PWR) w0.254: J702.3@6.5,16 4.75,17.75 4.75,23.75 5.5,24.5 8.49,24.5 9.499,25.509 9.499,27.749 14.25,32.5 19.5,32.5 v1(20,32)
  Bottom Layer w0.254: v1(20,32) 36,32 44,40 56.839,40 107.822,40 108.107,39.715 111.038,39.715 111.503,39.25 v1(114.5,39.25)
CANL: J702.8 R308.2 U302.6 | length 136.5
  Top Layer w0.254: R308.2@114,37.325 114.775,37.325 115.974,38.524 115.974,38.783 v1(116.021,38.83) 119.92,38.83 121.25,37.5 122.057,37.5 122.803,36.754 123.496,36.754 123.99,36.26 123.99,34.742 124.899,33.833 125.056,33.833 125.254,33.635 U302.6@126.136,33.635
  Int2 (PWR) w0.254: J702.8@9.5,16 11.475,17.975 11.475,22.475 20.766,31.766 v1(20.766,32.718)
  Bottom Layer w0.254: v1(20.766,32.718) 36.076,32.718 43.812,40.454 56.839,40.454 108.01,40.454 108.295,40.169 114.682,40.169 v1(116.021,38.83)
EN: C304.1 R310.1 RST300.3 RST300.4 U300.8 | length 28.5
  Top Layer w0.254: C304.1@135.533,40.758 C304.1@135.556,40.758 ; U300.8@139.3,47.25 138.75,47.25 137.423,45.923 137.423,42.648 135.885,41.11 135.885,41.087 C304.1@135.556,40.758 ; RST300.4@140,34 v1(140,32.75) 140.047,32.703 140.36,32.703 140.81,32.253 R310.1@140.81,32.153 ; v1(140,38.75) RST300.3@140,40 140,40.15 139.392,40.758 C304.1@135.556,40.758
  Bottom Layer w0.254: v1(140,32.75) 138.108,32.75 135.75,35.108 135.75,36.243 136.858,37.351 138.601,37.351 v1(140,38.75)
FB: R600.1 R603.2 R606.2 U600.12 | length 6.3
  Top Layer w0.254: R606.2@29.5,47.375 29.512,47.363 30.987,47.363 R603.2@31,47.35 ; R603.2@30.925,47.275 31.675,46.525 U600.12@31.675,44.4 ; R603.2@31,47.359 R600.1@32.599,47.359
GND: BOOT300.1 BOOT300.2 C100.2 C200_A.1 C200_B.1 C200_C.1 C200_D.1 C200_E.1 C200_F.1 C200_G.1 C201_A.2 C201_B.2 C201_C.2 C201_D.2 C201_E.2 C201_F.2 C201_G.2 C202_A.2 C202_B.2 C202_C.2 C202_D.2 C202_E.2 C202_F.2 C202_G.2 C300.2 C301.1 C302.2 C303.2 C304.2 C305.2 C306.2 C307.2 C400_X.2 C400_Y.2 C401_X.2 C401_Y.2 C600.2 C602.1 C603.2 C604.2 C605.1 C606.1 C607.2 C608.1 C609.1 C610.2 C613.2 C614.2 C700.1 D500.2 DISP800.2 J200_A.2 J200_A.3 J200_B.2 J200_B.3 J200_C.2 J200_C.3 J200_D.2 J200_D.3 J200_E.2 J200_E.3 J200_F.2 J200_F.3 J200_G.2 J200_G.3 J500.A1_B12 J500.B1_A12 J500.SH1 J500.SH2 J500.SH3 J500.SH4 J600.2 J700.1 J700.3 J701.2 J701.3 J702.1 J702.2 J702.4 J702.5 Q200_A.2 Q200_B.2 Q200_C.2 Q200_D.2 Q200_E.2 Q200_F.2 Q200_G.2 Q300.2 Q301.2 R101.1 R200_A.2 R200_B.2 R200_C.2 R200_D.2 R200_E.2 R200_F.2 R200_G.2 R203_A.1 R203_B.1 R203_C.1 R203_D.1 R203_E.1 R203_F.1 R203_G.1 R204_A.1 R204_B.1 R204_C.1 R204_D.1 R204_E.1 R204_F.1 R204_G.1 R306.1 R307.1 R500.1 R501.1 R602.2 R605.1 RST300.1 RST300.2 U200_A.2 U200_A.15 U200_B.2 U200_B.15 U200_C.2 U200_C.15 U200_D.2 U200_D.15 U200_E.2 U200_E.15 U200_F.2 U200_F.15 U200_G.2 U200_G.15 U300.1 U300.2 U300.11 U300.14 U300.36 U300.37 U300.38 U300.39 U300.40 U300.41 U300.42 U300.43 U300.44 U300.45 U300.46 U300.47 U300.48 U300.49_1 U300.49_2 U300.49_3 U300.49_4 U300.49_5 U300.49_6 U300.49_7 U300.49_8 U300.49_9 U300.50 U300.51 U300.52 U300.53 U301.1 U301.2 U301.3 U301.8 U302.2 U302.8 U400_X.1 U400_X.3 U400_Y.3 U600.9 U600.13 U600.14 U600.15 U600.17 U600.24 U600.25 U600.26 U600.31 U601.2 U602.1 U603.2 USR300.3 USR300.4 | length 170
  Top Layer w0.254: 25.904,46.904 26,47 26.154,47 ; v1(28.25,39.25) 28.317,39.25 28.565,39.498 29.098,39.498 U600.25@29.1,39.5 ; v1(28.25,39.75) 28.317,39.75 28.565,39.998 29.098,39.998 U600.24@29.1,40 ; U600.17@29.1,43.5 29.952,43.5 30.925,42.527 v1(30.925,41.5) ; Q200_A.2@31.5,18.215 31.856,18.571 32.254,18.571 32.433,18.75 v1(32.5,18.75) ; v1(32.5,23.75) 32.5,22.523 C202_A.2@32.773,22.25 ; U600.9@32.75,43 33.694,43 33.785,43.091 v1(33.851,43.091) ; v1(32.996,18.25) 33.031,18.25 33.5,17.781 R200_A.2@33.5,17 ; v1(35.5,26.75) 35.547,26.703 35.622,26.703 36.275,26.05 R204_A.1@36.5,26.05 ; U200_A.2@37.2,15.475 37.217,15.458 37.217,14.033 v1(37.25,14) ; v1(37.5,26.75) 37.547,26.703 37.622,26.703 38.275,26.05 R203_A.1@38.5,26.05 ; C201_A.2@44.227,14.25 44.25,14.227 v1(44.25,12.75) ; Q200_B.2@51.5,18.215 51.856,18.571 52.151,18.571 52.345,18.765 v1(52.412,18.765) ; v1(52.5,23.673) 52.5,22.523 C202_B.2@52.773,22.25 ; R200_B.2@53.5,17 53.502,17.002 v1(53.502,18.249) ; R204_B.1@56.5,26.05 56.5,26.831 56.839,27.17 56.986,27.17 v1(57.033,27.217) ; U200_B.2@57.2,15.475 57.217,15.458 57.217,14.033 v1(57.25,14) ; v1(58.25,27) 58.25,26.3 R203_B.1@58.5,26.05 ; C201_B.2@64.227,14.25 64.25,14.227 v1(64.25,12.75) ; C614.2@67.877,38 v1(69,38) ; v1(68.463,41.031) 68.463,41.01 68.973,40.5 U601.2@70.15,40.5 ; v1(69,35.5) U603.2@70.4,35.5 ; Q200_C.2@71.5,18.215 71.551,18.215 71.906,18.571 71.906,18.733 v1(71.923,18.75) ; v1(72.5,23.75) 72.5,22.523 C202_C.2@72.773,22.25 ; U602.1@72.878,49.083 72.878,49.445 73.018,49.584 73.267,49.584 73.433,49.75 v1(73.5,49.75) ; R200_C.2@73.5,17 v1(73.5,18.25) ; v1(74.25,34) C613.2@74.25,35.123 ; v1(75.5,26.75) 75.547,26.703 75.622,26.703 76.275,26.05 R204_C.1@76.5,26.05 ; U200_C.2@77.2,15.475 77.217,15.458 77.217,14.033 v1(77.25,14) ; v1(77.5,26.75) 77.547,26.703 77.622,26.703 78.275,26.05 R203_C.1@78.5,26.05 ; v1(78.466,42.034) 78.513,42.081 78.513,42.255 78.757,42.5 C401_X.2@79.5,42.5 ; U400_X.1@81,34.849 81,36.679 81.254,36.933 v1(81.254,37) ; U400_X.3@82,34.849 v1(82,37) ; C201_C.2@84.227,14.25 84.25,14.227 v1(84.25,12.75) ; C400_X.2@84.5,42.5 84.531,42.531 v1(85.504,42.531) ; USR300.3@86.75,43.15 87.833,43.15 87.933,43.25 v1(88,43.25) ; Q200_D.2@91.5,18.215 91.551,18.215 91.949,18.613 91.949,18.703 v1(91.996,18.75) ; v1(91.5,43) 91.547,43.047 92.647,43.047 USR300.4@92.75,43.15 ; v1(92.5,23.75) 92.5,22.523 C202_D.2@92.773,22.25 ; R200_D.2@93.5,17 v1(93.5,18.25) ; v1(94.75,43.099) 94.817,43.099 94.967,43.25 C401_Y.2@96.023,43.25 ; v1(95.5,26.75) 95.547,26.703 95.622,26.703 96.275,26.05 R204_D.1@96.5,26.05 ; U200_D.2@97.2,15.475 97.217,15.458 97.217,14.033 v1(97.25,14) ; v1(97.5,26.75) 97.547,26.703 97.622,26.703 98.275,26.05 R203_D.1@98.5,26.05 ; v1(98.5,34) U400_Y.3@98.5,36.349 ; C400_Y.2@100.627,43.151 101.83,43.151 101.933,43.254 v1(102,43.254) ; C100.2@103,33.773 104.16,33.773 104.433,33.5 v1(104.5,33.5) ; C201_D.2@104.227,14.25 104.25,14.227 v1(104.25,12.75) ; v1(105.995,32.967) 105.995,33.845 R101.1@106,33.85 ; v1(108.5,43) 108.5,41.977 C302.2@108.727,41.75 ; C302.2@108.75,41.75 C302.2@108.727,41.75 ; C302.2@108.975,41.998 C302.2@108.727,41.75 ; Q200_E.2@111.5,18.215 111.856,18.571 112.254,18.571 112.448,18.765 v1(112.448,18.802) ; U301.1@112.35,44.225 112.75,44.225 113.228,44.703 113.453,44.703 v1(113.5,44.75) 113.5,44.775 112.75,45.525 U301.3@112.35,45.525 ; U301.2@112.35,44.875 v1@113.308,44.875 ; U301.8@112.35,48.775 112.75,48.775 113.174,49.199 113.474,49.199 v1(113.5,49.173) ; v1(112.5,23.75) 112.5,22.523 C202_E.2@112.773,22.25 ; R200_E.2@113.5,17 113.514,17.014 v1(113.514,18.236) ; v1(115.5,26.75) 115.547,26.703 115.622,26.703 116.275,26.05 R204_E.1@116.5,26.05 ; U200_E.2@117.2,15.475 117.217,15.458 117.217,14.033 v1(117.25,14) ; v1(117.5,26.75) 117.547,26.703 117.622,26.703 118.275,26.05 R203_E.1@118.5,26.05 ; C201_E.2@124.227,14.25 124.25,14.227 v1(124.25,12.75) ; v1(124.75,42.746) 125.817,42.746 R307.1@125.829,42.758 ; U302.8@126.136,31.095 128.8,31.095 130.07,32.365 U302.2@130.864,32.365 ; Q301.2@127.079,48.223 127.13,48.223 127.486,48.579 127.486,48.736 v1(128,49.25) ; Q300.2@127.579,39.723 127.795,39.508 129.079,39.508 129,39.587 v1(129,40.75) ; C300.2@130.85,48.273 130.85,47.217 131,47.067 v1(131,47) ; Q200_F.2@131.5,18.215 131.856,18.571 132.254,18.571 132.433,18.75 v1(132.492,18.75) ; v1(132.492,23.75) 132.492,22.531 C202_F.2@132.773,22.25 ; R200_F.2@133.5,17 133.5,17.802 133.9,18.203 134.28,18.203 v1(134.327,18.25) ; v1(134.006,39.504) 134.006,40.684 C304.2@134.079,40.758 ; v1(135.5,26.75) 135.547,26.703 135.622,26.703 136.275,26.05 R204_F.1@136.5,26.05 ; C305.2@136.85,48.25 C305.2@136.85,48.273 ; U200_F.2@137.2,15.475 137.217,15.458 137.217,14.033 v1(137.25,14) ; v1(137.25,52) 137.275,52.025 139.275,52.025 U300.2@139.3,52.05 ; v1(137.25,52.75) 137.297,52.797 137.372,52.797 137.425,52.85 U300.1@139.3,52.85 ; v1(137.25,53.5) 137.317,53.5 137.617,53.8 U300.53@139.25,53.8 140.35,53.8 U300.48@140.4,53.75 U300.47@141.2,53.75 U300.46@142,53.75 U300.45@142.8,53.75 U300.44@143.6,53.75 U300.43@144.4,53.75 U300.42@145.2,53.75 U300.41@146,53.75 U300.40@146.8,53.75 U300.39@147.6,53.75 U300.38@148.4,53.75 U300.37@149.2,53.75 U300.36@150,53.75 150.05,53.8 U300.50@151.15,53.8 151.95,53.8 v1(152.5,53.25) ; v1(137.5,26.75) 137.547,26.703 137.622,26.703 138.275,26.05 R203_F.1@138.5,26.05 ; v1(138,44.677) 138.067,44.677 138.24,44.85 U300.11@139.3,44.85 ; v1(139.201,42.8) 139.226,42.825 139.226,43.876 U300.52@139.25,43.9 ; U300.14@142,43.95 142,42.893 v1(142.446,42.446) ; v1(143.25,33) 143.25,33.067 143.477,33.294 143.477,33.777 RST300.2@143.7,34 ; v1(143.5,41.25) 143.5,41.183 143.7,40.983 RST300.1@143.7,40 ; C201_F.2@144.227,14.25 144.25,14.227 v1(144.25,12.75) ; U300.51@151.15,43.9 152.033,43.9 152.235,43.698 v1(152.302,43.698) ; BOOT300.2@151.2,34 152.25,34 v1(152.5,33.75) ; BOOT300.1@151.2,40 151.933,40 152.183,40.25 v1(152.25,40.25) ; Q200_G.2@151.5,18.215 151.856,18.571 152.254,18.571 152.433,18.75 v1(152.5,18.75) ; v1(152.5,23.75) 152.5,22.523 C202_G.2@152.773,22.25 ; R200_G.2@153.5,17 v1(153.5,18.25) ; v1(153.75,34.5) 153.75,34.567 153.85,34.667 C303.2@153.85,36.273 ; v1(155.5,26.75) 155.575,26.75 156.275,26.05 R204_G.1@156.5,26.05 ; U200_G.2@157.2,15.475 157.217,15.458 157.217,14.033 v1(157.25,14) ; v1(157.5,26.75) 157.547,26.703 157.622,26.703 158.275,26.05 R203_G.1@158.5,26.05 ; v1(159.75,46.75) 159.75,46.683 159.827,46.606 159.827,46.023 D500.2@160,45.85 ; C201_G.2@164.227,14.25 164.25,14.227 v1(164.25,12.75) ; v1(164.546,45.542) 164.567,45.521 165.729,45.521 R501.1@165.75,45.5 ; R500.1@165.75,39.043 165.771,39.021 166.729,39.021 v1(166.75,39) ; v1(167,48.25) 168.029,47.221 J500.B1_A12@169,47.221 ; v1(167.5,40.5) 167.821,40.821 J500.A1_B12@169,40.821 ; C608.1@167.963,34 C608.1@168.663,33.3
  Top Layer w0.508: v1(69,42.5) R605.1@69,44 ; U602.1@72.878,49.083 72.878,49.012 72.891,49 v1(73.5,49) ; v1(124.75,37) 125,37 125.75,36.25 C306.2@125.773,36.25 ; U302.2@130.864,32.365 132.71,32.365 133.075,32 v1(134,32) ; v1(135,32) 135.127,32.127 C307.2@135.127,33.571
  Top Layer w0.635: v1(54.5,51.25) v1(54.5,52.25) ; v1(65.5,42) C606.1@65.5,43.6 ; v1(76.25,37.75) 76.25,38.561 C603.2@76.339,38.561
  other v1: 41.25,17 42.5,17 43.5,17 44.731,17.019 61.5,17.25 62.5,17.25 63.5,17.25 64.5,17.25 81.5,17.25 82.5,17.25 83.5,17.25 84.5,17.25 101.5,17.25 102.5,17.25 103.5,17.25 104.5,17.25 121.5,17.25 122.5,17.25 123.5,17.25 124.5,17.25 141.5,17.25 142.5,17.25 143.5,17.25 144.5,17.25 161.5,17.25 162.5,17.25 163.5,17.25 164.5,17.25 137.519,17.269 37.75,17.5 39.25,17.5 57.75,17.5 59.25,17.5 77.75,17.5 79.25,17.5 97.75,17.5 99.25,17.5 117.75,17.5 119.25,17.5 139.25,17.5 157.75,17.5 159.25,17.5 37.75,18.25 38.5,18.25 39.25,18.25 57.75,18.25 58.5,18.25 59.25,18.25 77.75,18.25 78.5,18.25 79.25,18.25 97.75,18.25 98.5,18.25 99.25,18.25 117.75,18.25 118.5,18.25 119.25,18.25 138.5,18.25 139.25,18.25 157.75,18.25 158.5,18.25 159.25,18.25 137.856,18.356 37.75,19 39.25,19 57.75,19 59.25,19 77.75,19 79.25,19 97.75,19 99.25,19 117.75,19 119.25,19 137.75,19 139.25,19 157.75,19 159.25,19 165.5,19.5 41.5,19.75 42.5,19.75 43.5,19.75 44.5,19.75 61.5,19.75 62.5,19.75 63.5,19.75 64.5,19.75 81.5,19.75 82.5,19.75 83.5,19.75 84.5,19.75 101.5,19.75 102.5,19.75 103.5,19.75 104.5,19.75 121.5,19.75 122.5,19.75 123.5,19.75 124.5,19.75 141.5,19.75 142.5,19.75 143.5,19.75 144.5,19.75 161.5,19.75 162.5,19.75 163.5,19.75 164.5,19.75 165,29 166,29 167,29 168,29 169,29 170,29 171,29 172,29 165,30 166,30 171,30 172,30 165,31 166,31 171,31 172,31 165,32 171,32 172,32 166.036,32.067 165,33 166,33 171,33 172,33 165,34 166,34 171,34 172,34 21,34.25 22.25,34.25 23.5,34.25 24.5,34.25 26,34.25 27.5,34.25 21,35 22.25,35 23.5,35 24.5,35 26,35 27.5,35 28.25,37.75 28.253,38.234 28.234,38.724 67.467,39.283 30.925,39.45 30.075,40.34 30.925,40.34 31.775,40.34 30.075,41.5 31.775,41.5 64,42 64.75,42 66.25,42 30.075,42.66 30.925,42.66 31.775,42.66 30.925,43.55 29.25,44.75 28.522,44.878 27.75,45.5 28.5,45.5 29.25,45.5 30,45.5 30.75,45.5 132.75,46 133.5,46 134.25,45.996 135,45.996 79,46.012 27.75,46.25 28.5,46.25 29.25,46.25 30,46.25 30.75,46.25 83,46.5 84,46.5 85,46.5 143.225,46.875 145.2,46.875 147.175,46.875 27.75,47 28.5,47 37,47 136,47.327 83,47.5 84,47.5 85,47.5 37,47.75 61.5,47.75 37,48.5 82,48.5 83,48.5 143.225,48.85 145.2,48.85 147.175,48.85 33.5,49.25 34.25,49.25 35,49.25 35.75,49.25 36.5,49.25 37.25,49.25 59,49.5 59.75,49.5 53.5,50.25 54.5,50.25 55.5,50.25 56.75,50.5 57.5,50.5 58.25,50.5 59,50.5 59.75,50.5 143.225,50.825 145.2,50.825 147.175,50.825 53.5,51.25 55.5,51.25 56.75,51.5 57.5,51.5 58.25,51.5 59,51.5 59.75,51.5 30.49,52.054 53.5,52.25 55.5,52.25 28.5,54 32.5,54 29.49,54.054 31.49,54.054 28.5,55.25 29.5,55.25 30.49,56.554
INDC: C601.1 L600.1 U600.1 U600.2 U600.3 U600.4 U600.5
IO2: R303.1 U300.5 | length 7.2
  Top Layer w0.254: R303.1@135.829,44.258 135.829,45.73 137.927,47.828 137.927,48.927 138.65,49.65 U300.5@139.3,49.65
LED1: Q300.1 R306.2 U300.6 | length 18.4
  Top Layer w0.254: Q300.1@127.579,37.808 128.879,37.808 129.079,38.008 129.179,38.008 134.171,43 136.25,43 136.969,43.719 136.969,46.219 138.381,47.631 138.381,48.701 138.53,48.85 U300.6@139.3,48.85
LED2: Q301.1 R307.2 U300.18 | length 34.1
  Top Layer w0.254: Q301.1@127.079,46.308 127.329,46.058 R307.2@127.329,42.758 127.329,41.329 126.5,40.5 126.5,37.659 126.954,37.204 127.67,37.204 128.125,36.75 129.537,36.75 130.537,37.75 144,37.75 144.784,38.534 144.784,40.897 145.2,41.313 U300.18@145.2,43.95
NetBOOT300_3: BOOT300.3 BOOT300.4 C303.1 U300.23 | length 17.4
  Top Layer w0.254: BOOT300.4@147.5,34 147.5,38.5 ; U300.23@149.2,43.95 149.2,41.85 147.5,40.15 BOOT300.3@147.5,40 147.5,38.5 ; C303.1@153.85,37.727 153.85,37.65 153,38.5 147.5,38.5
NetC202_A_1: C202_A.1 R205_A.2 U400_X.4 | length 58.4
  Top Layer w0.254: C202_A.1@34.227,22.25 34.227,23.423 33.5,24.15 33.5,24.25 33.5,27.5 36.25,30.25 56.839,30.25 72.261,30.25 75.011,33 82,33 82.482,33.482 82.482,34.831 U400_X.4@82.5,34.849
NetC202_B_1: C202_B.1 R205_B.2 U400_X.5 | length 43.2
  Top Layer w0.254: R205_B.2@53.4,24.25 51.899,24.25 51.75,24.399 51.75,24.884 51.75,29 52.5,29.75 72.3,29.75 72.403,29.75 74.903,32.25 81.892,32.25 83,33.358 U400_X.5@83,34.849 ; R205_B.2@53.5,24.25 53.5,24.15 54.227,23.423 C202_B.1@54.227,22.25
NetC202_C_1: C202_C.1 R205_C.2 U400_X.6 | length 24.6
  Top Layer w0.254: C202_C.1@74.227,22.25 74.227,23.423 73.5,24.15 73.5,24.25 73.5,28.351 76.945,31.796 82.08,31.796 83.5,33.216 83.5,35.709 83,36.209 U400_X.6@83,39.151